# Altium PCB RHX-NYFK-PCB11V1.01.PcbDoc
Units mm, origin at the board's own origin, x right, y up, seen from the top; angles counter-clockwise.
Board outline 73.66 x 54.99 mm, 2 copper layers (Top Layer, Bottom Layer), stack 1.571 mm thick; 133 components, 85 nets, 398 pads, 288 vias.
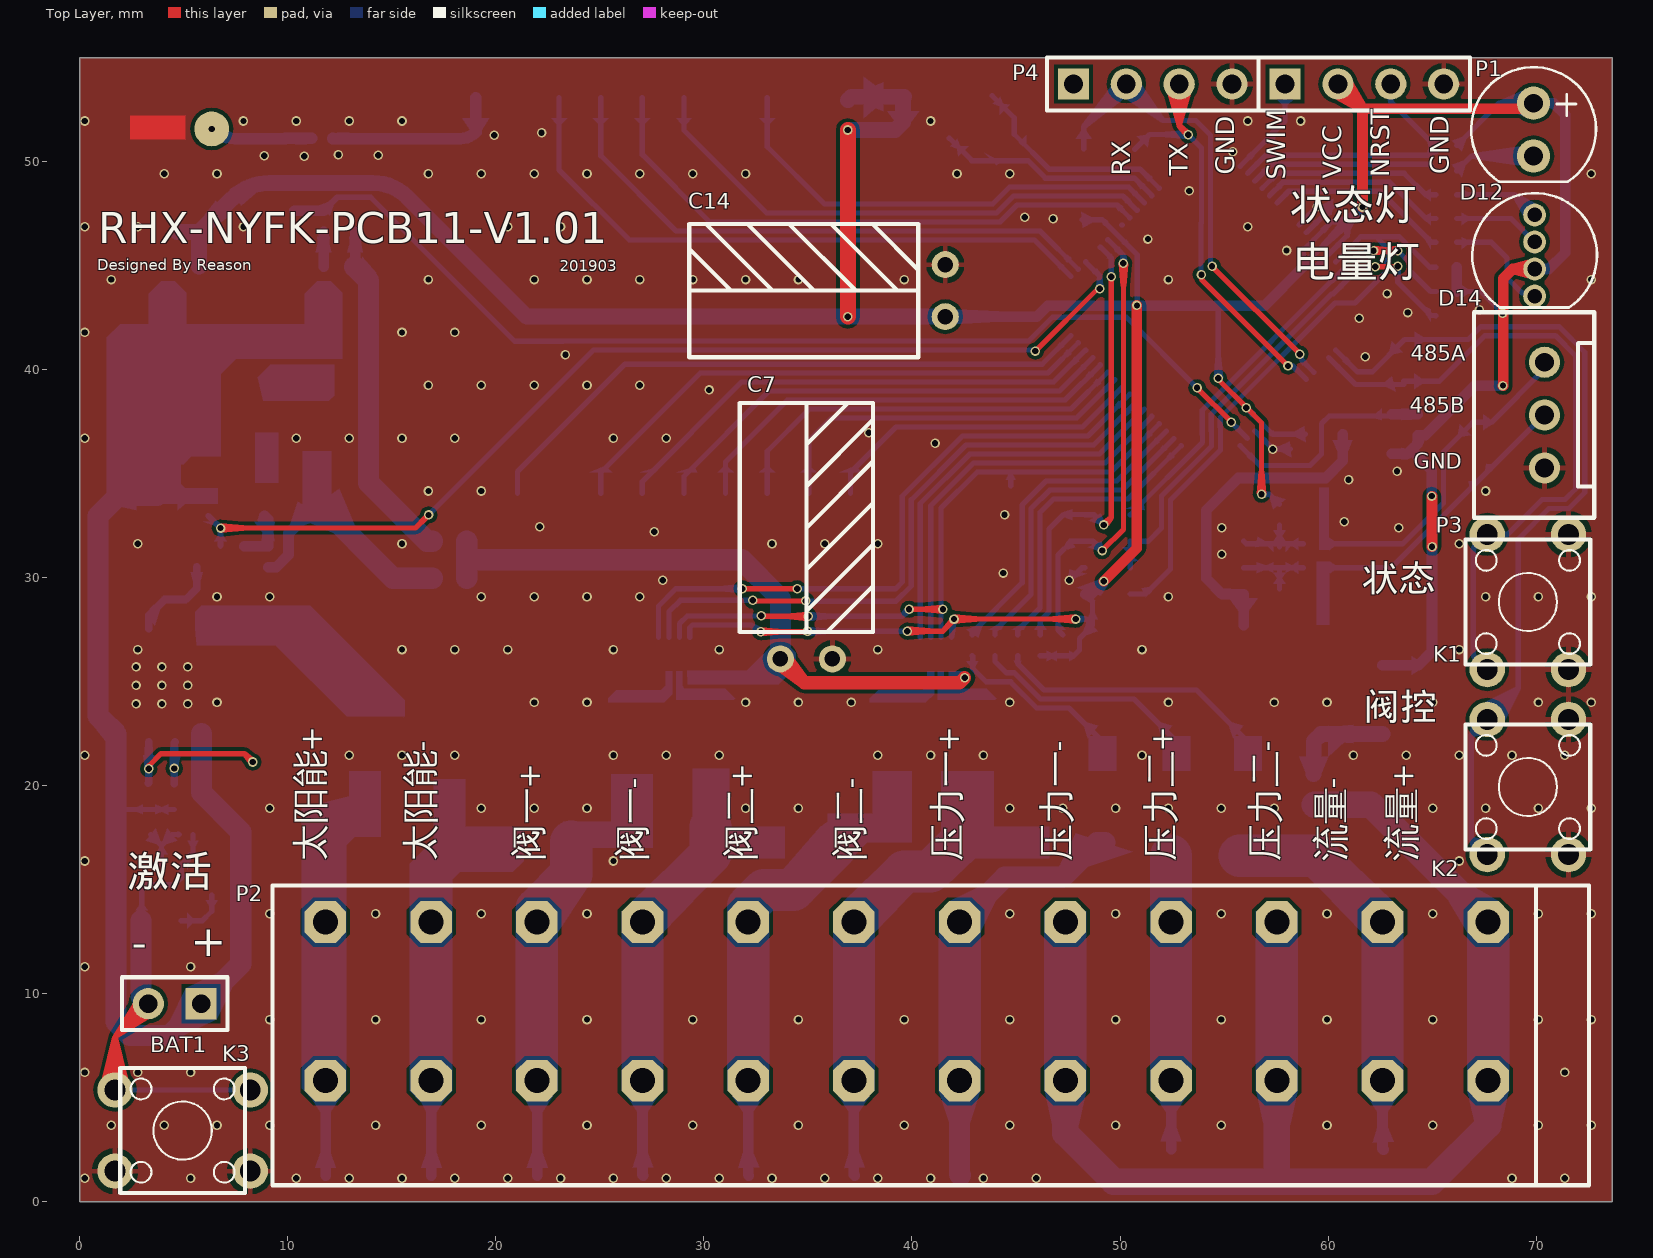
[diagram p0: Top Layer view]
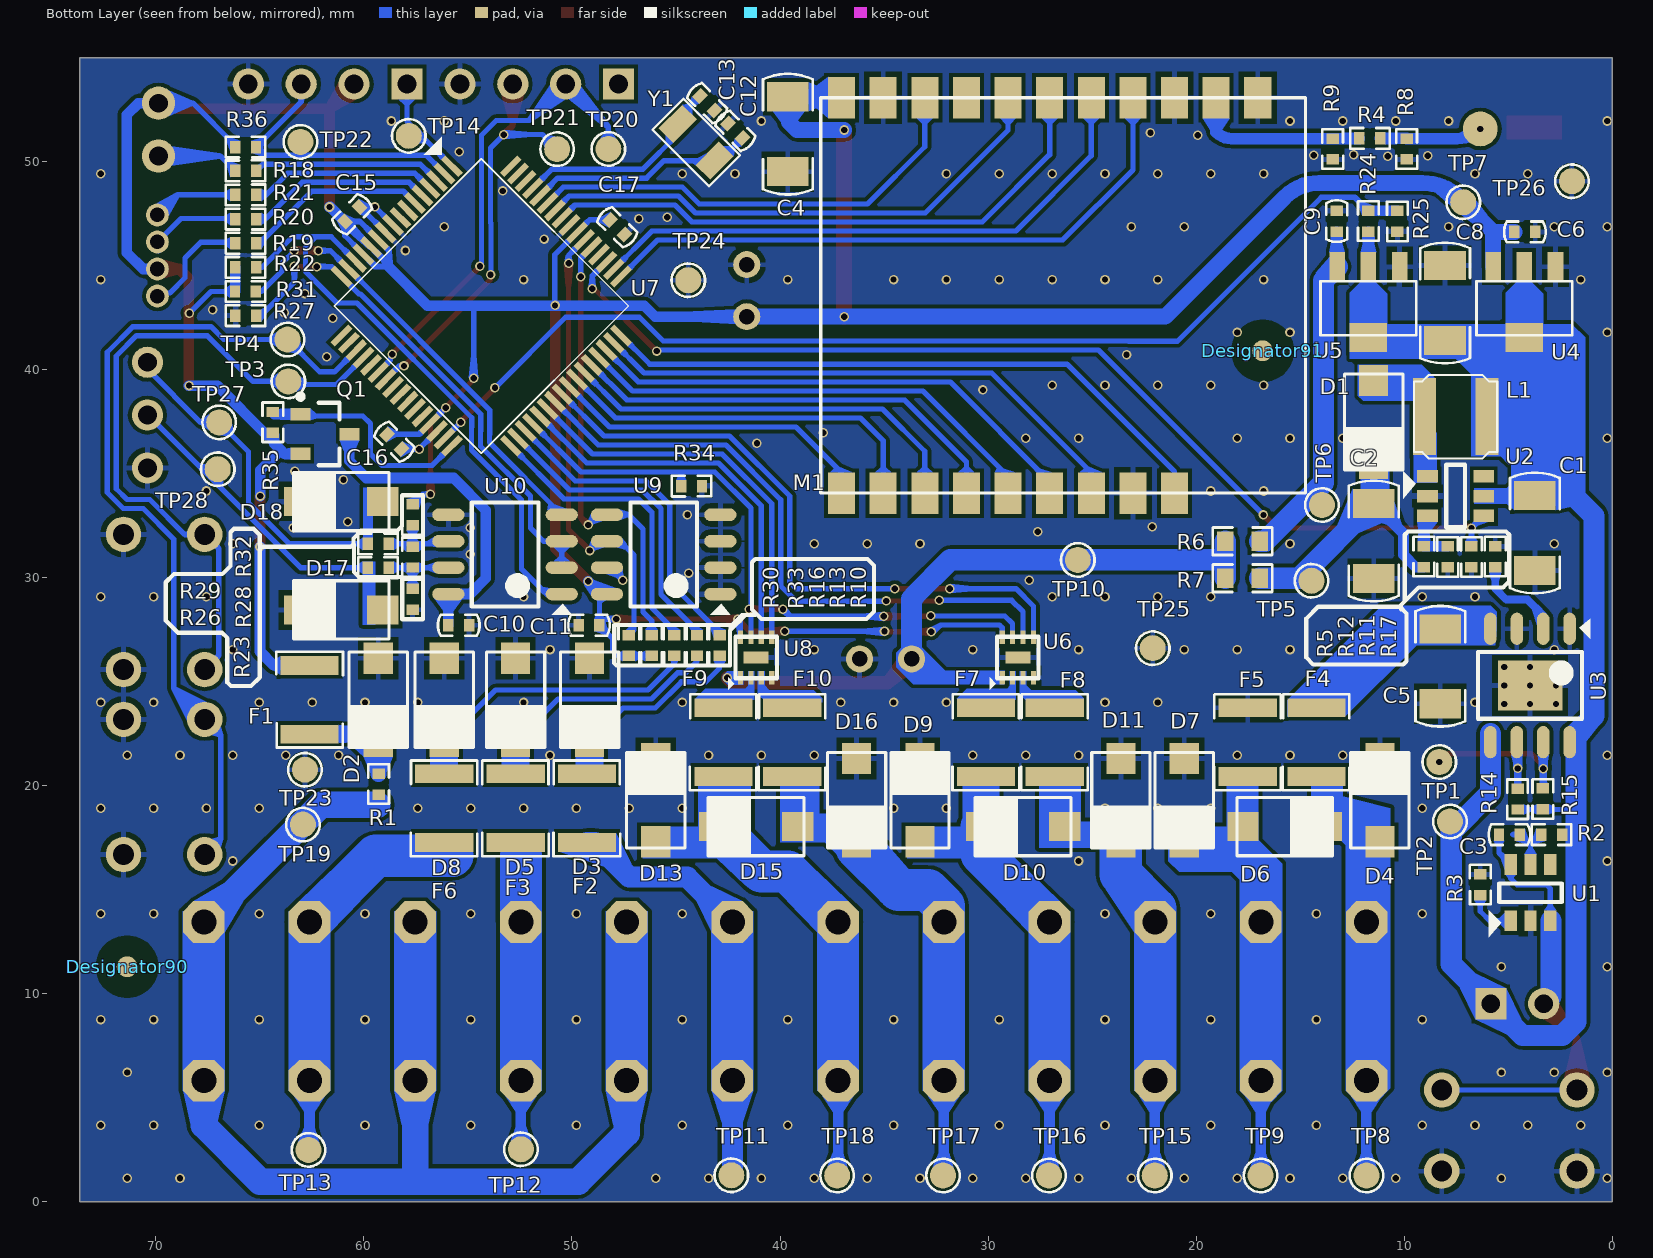
[diagram p1: Bottom Layer view, seen from below]
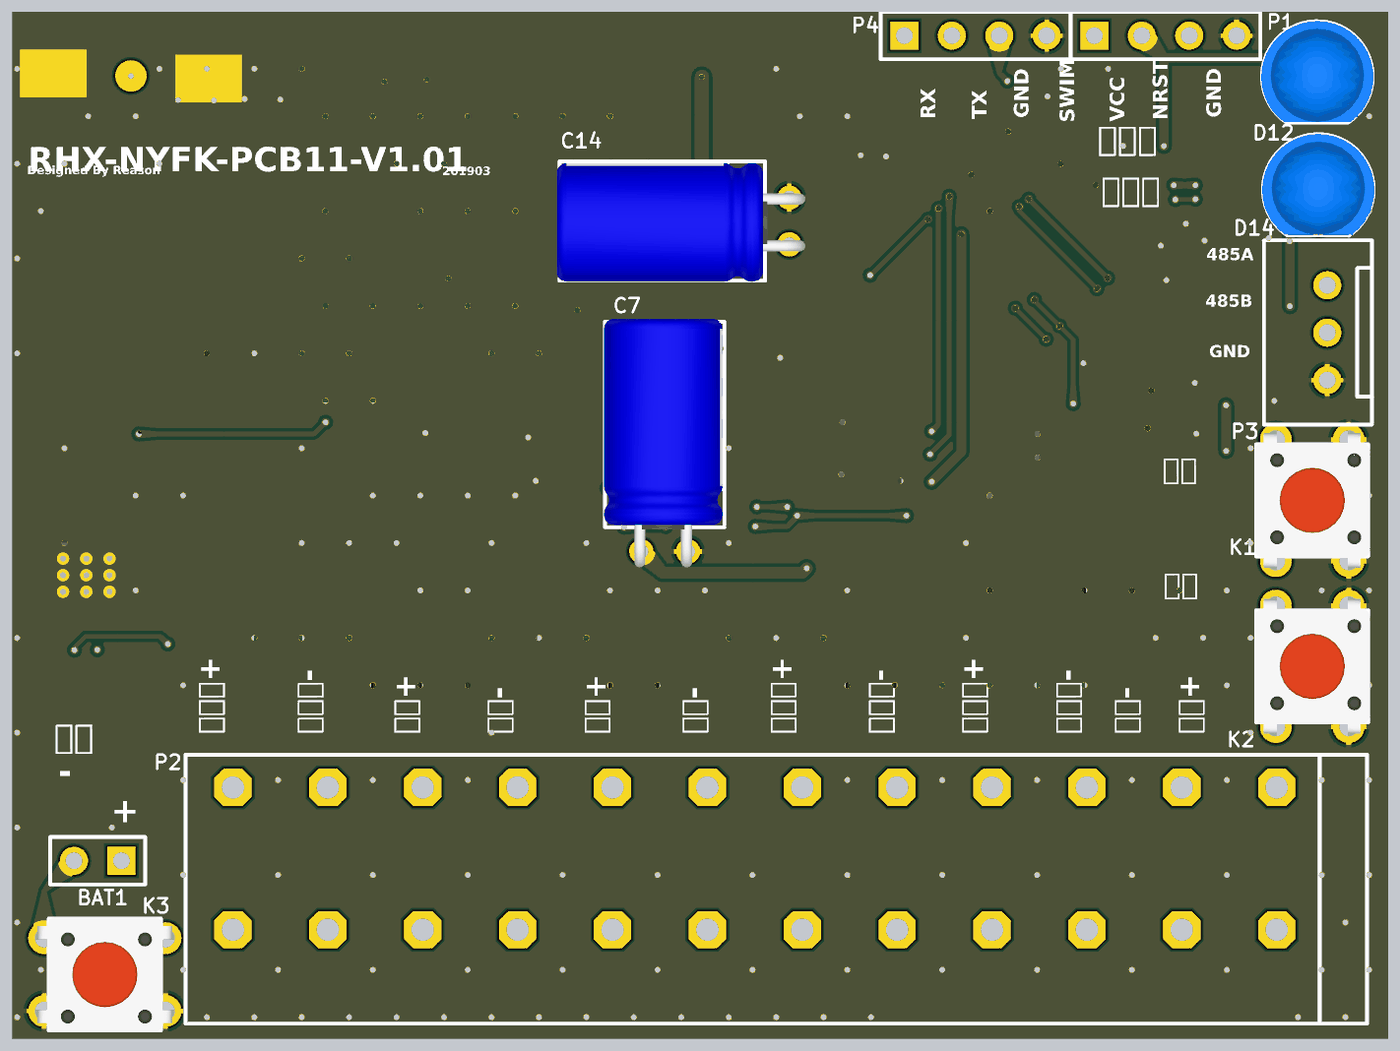
[diagram p2: 3D render of the assembled board from above, using the file's embedded part models]
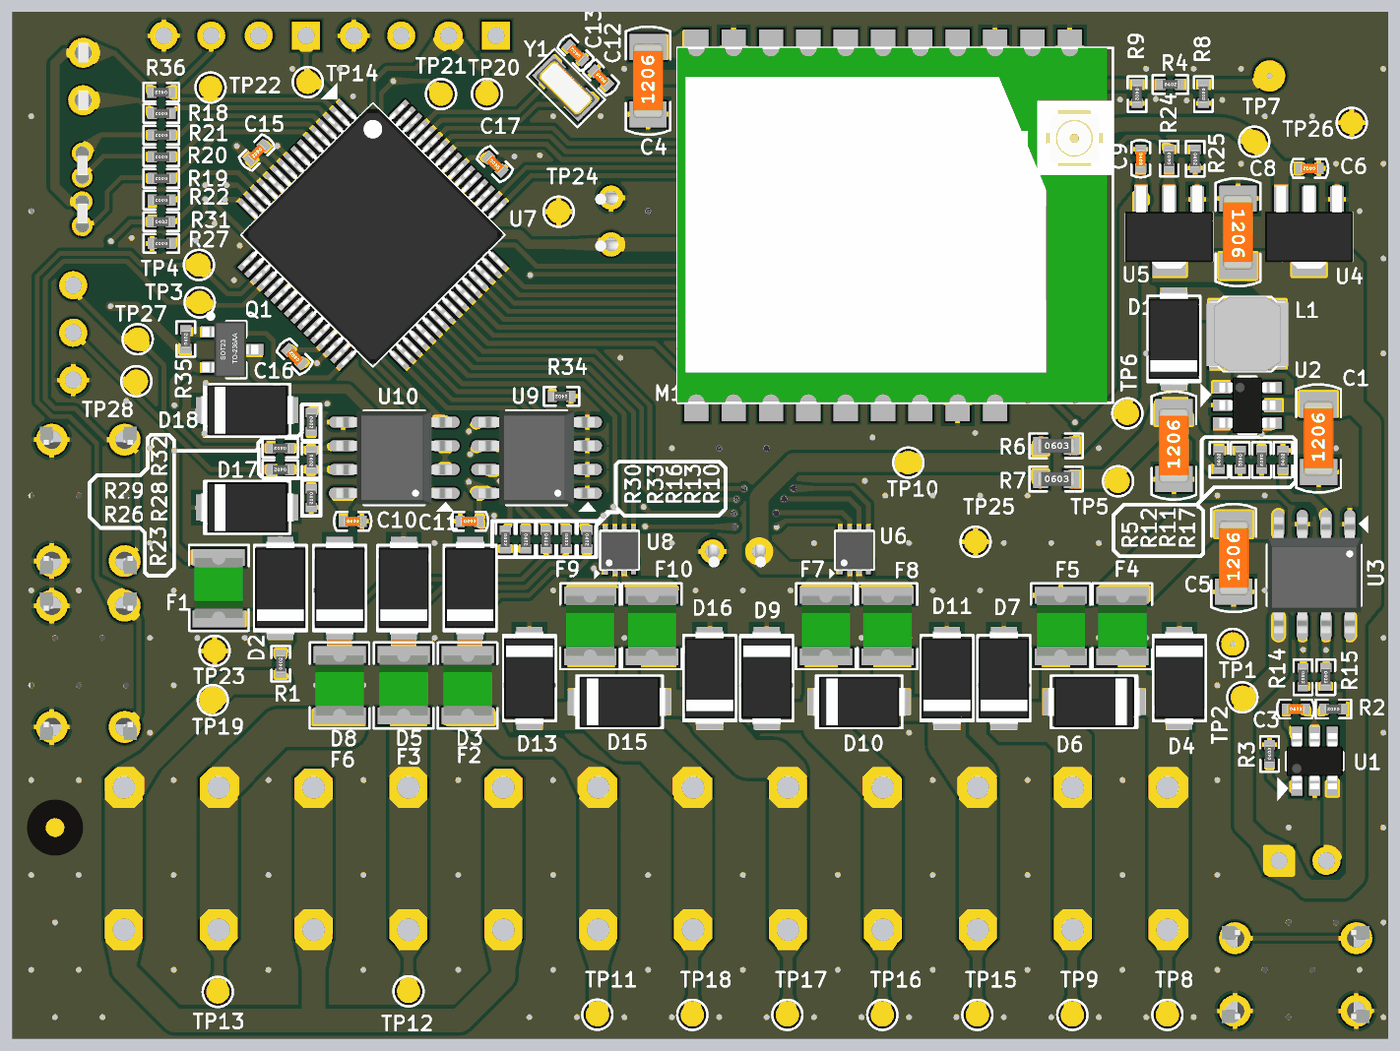
[diagram p3: 3D render of the assembled board from below, using the file's embedded part models]

## Layer stack, top to bottom
Top Solder: solder mask 0.0102, Solder Resist, Dk 3.5
Top Layer: signal copper 0.0356
Dielectric1: dielectric 1.5, FR-4, Dk 4.8
Bottom Layer: signal copper 0.0356
Bottom Solder: solder mask 0.0102, Solder Resist, Dk 3.5

## Board outline
0,0 73.66,0 73.66,54.991 0,54.991

## Design rules (kind name [scope] priority, off if disabled: settings)
Clearance [All] p1: gap=0.178
ComponentClearance [All] p1 off: gap=0.254 collisioncheckmode=3 verticalgap=0.254 showdistances=FALSE
Height [All] p1 off: minheight=0 maxheight=25.4 prefheight=12.7
HoleSize [All] p1: absolutevalues=TRUE maxlimit=5.639 minlimit=0.025 maxpercent=80.000 minpercent=20.000
MinimumSolderMaskSliver [All] p1: minsoldermaskwidth=0
PolygonConnect via [IsVia] p1: connectstyle=Direct reliefconductorwidth=0.254 reliefentries=4 polygonreliefangle="90 Angle" airgapwidth=0.254
PolygonConnect [All] p2: connectstyle=Relief reliefconductorwidth=0.254 reliefentries=4 polygonreliefangle="90 Angle" airgapwidth=0.254
RoutingVias [All] p1: holewidth=0.305 width=0.457 viastyle="Through Hole" minholewidth=0.305 minwidth=0.457 maxholewidth=0.711 maxwidth=1.27
SilkToSilkClearance [All] p1: silktosilkclearance=0
SilkToSolderMaskClearance [IsPad] p1: minsilkscreentomaskgap=0 clearancetoexposedcopper=TRUE
SolderMaskExpansion [All] p1: expansion=0.102
Width [All] p1: maxlimit=282.219 minlimit=0.254 preferedwidth=0.254
24 further rules are at their usual default settings.

## Classes and differential pairs
component class RHX-NYFK-SCH22V1.00: C7 C10 D9 D10 D11 D13 D15 D16 D17 D18 F7 F8 F9 F10 P3 Q1 R22 R23 R26 R27 R28 R29 R31 R32 R35 TP27 TP28 U6 U8 U10
component class RHX-NYFK-SCH21V1.00: BAT1 C1 C2 C3 C4 C5 C6 C8 C9 C11 C12 C13 C14 C15 C16 C17 D1 D2 D3 D4 D5 D6 D7 D8 D12 D14 F1 F2 F3 F4 F5 F6 K1 K2 K3 L1 M1 P1 P2 P4 Q2 Q3 Q4 R1 R2 R3 R4 R5 R6 R7 R8 R9 R10 R11 R12 R13 R14 R15 R16 R17 R18 R19 R20 R21 R24 R25 R30 R33 R34 R36 TP1 TP2 TP3 TP4 TP5 TP6 TP7 TP8 TP9 TP10 TP11 TP12 TP13 TP14 TP15 TP16 TP17 TP18 TP19 TP20 TP21 TP22 TP23 TP24 TP25 TP26 U1 U2 U3 U4 U5 U7 U9 Y1

## Components (designator, comment, footprint, x,y, rotation, side; value= is the part's Value field where it differs from the comment)
BAT1 "Value" HDR1X2 5.842,9.525 r180 top
C1 "22uf/16V" c1206 3.726,32.144 r90 bottom
C2 "22uf/16V" c1206 11.473,31.763 r90 bottom
C3 "100NF" C0402 4.953,17.653 r180 bottom
C4 "47uf" C1206 39.624,51.308 r90 bottom
C5 "22uf/16V" c1206 8.27,25.74 r90 bottom
C6 "100nf" C0402 4.209,46.611 r0 bottom
C7 "330uf/10v" CAP_2P_2R5_D6R3H11_W 34.925,32.893 r0 top
C8 "22uf/16V" c1206 8.044,43.193 r270 bottom
C9 "100nf" c0402 13.251,47.13 r270 bottom
C10 "100nf" c0402 55.44,27.71 r180 bottom
C11 "100nf" C0402 49.18,27.71 r180 bottom
C12 "12pF±10%/50V" C0402 42.15,51.47 r225 bottom
C13 "12pF±10%/50V" C0402 43.5,52.8 r45 bottom
C14 "330uf/10v" CAP_2P_2R5_D6R3H11_W 34.8,43.79 r90 top
C15 "100nf" C0402 60.56,47.46 r315 bottom
C16 "100nf" C0402 58.54,36.53 r45 bottom
C17 "100nf" C0402 47.82,46.84 r45 bottom
D1 "SS14" SMA_2P_2R8X4R6 11.473,37.478 r270 bottom
D2 "Value" SMA_2P_2R8X4R6 59.309,24.13 r270 bottom
D3 "Value" SMA_2P_2R8X4R6 49.149,24.13 r270 bottom
D4 "Value" SMA_2P_2R8X4R6 11.176,19.304 r90 bottom
D5 "Value" SMA_2P_2R8X4R6 52.705,24.13 r270 bottom
D6 "Value" SMA_2P_2R8X4R6 15.748,18.034 r180 bottom
D7 "Value" SMA_2P_2R8X4R6 20.574,19.304 r270 bottom
D8 "Value" SMA_2P_2R8X4R6 56.134,24.13 r270 bottom
D9 "Value" SMA_2P_2R8X4R6 33.274,19.304 r90 bottom
D10 "Value" SMA_2P_2R8X4R6 28.321,18.034 r0 bottom
D11 "Value" SMA_2P_2R8X4R6 23.622,19.304 r270 bottom
D12 "Value" LED_2P_2R54_D5X8R7 69.869,51.53 r270 top
D13 "Value" SMA_2P_2R8X4R6 45.974,19.304 r90 bottom
D14 "RGB共阳" DIP_LED_4P_RGB_1R3_D5 69.92,45.48 r270 top
D15 "Value" SMA_2P_2R8X4R6 41.148,18.034 r0 bottom
D16 "Value" SMA_2P_2R8X4R6 36.322,19.304 r270 bottom
D17 "SMBJ6.5CA" SMA_2P_2R8X4R6 61.087,28.448 r0 bottom
D18 "SMBJ6.5CA" SMA_2P_2R8X4R6 61.087,33.655 r0 bottom
Designator90 "Comment" MARK_D1R0 71.374,11.303 r90 bottom
Designator91 "Comment" MARK_D1R0 16.81,40.9 r90 bottom
F1 "Value" FUSE1210 62.611,24.13 r270 bottom
F2 "Value" FUSE1210 49.276,18.923 r90 bottom
F3 "Value" FUSE1210 52.705,18.923 r90 bottom
F4 "Value" FUSE1210 14.224,22.098 r90 bottom
F5 "Value" FUSE1210 17.526,22.098 r90 bottom
F6 "Value" FUSE1210 56.134,18.923 r90 bottom
F7 "Value" FUSE1210 30.099,22.098 r90 bottom
F8 "Value" FUSE1210 26.797,22.098 r90 bottom
F9 "Value" FUSE1210 42.72,22.098 r90 bottom
F10 "Value" FUSE1210 39.41,22.098 r90 bottom
K1 "Value" DIP_SW_4P_6R0X6R0_P 69.596,28.829 r270 top
K2 "Value" DIP_SW_4P_6R0X6R0_P 69.596,19.939 r270 top
K3 "Value" DIP_SW_4P_6R0X6R0_P 4.953,3.429 r180 top
L1 "10UH" SMD_INC_2P_4R0X4R0 7.536,37.732 r0 bottom
M1 "Value" LORA_PIN_1 26.543,43.561 r270 bottom locked
P1 "SWIM" HDR1X4#1 57.93,53.72 r0 top
P2 "Header 12" KF301_12P_5R08 44.831,8.001 r0 top
P3 "RS485" HDR1X4#2 70.4,42.89 r270 top
P4 "UART" HDR1X4#1 47.76,53.72 r0 top
Q1 "Value" SOT23_3P_0R95_1R3X2R9 61.87,36.9 r180 bottom
R1 "22R±5%" R0402 59.29,20.07 r90 bottom
R2 "100R±5%" R0402 2.921,17.653 r0 bottom
R3 "1K±5%" R0402 6.35,15.24 r90 bottom
R4 "1K±5%" R0402 11.665,51.107 r180 bottom
R5 "330K±1%" R0402 9.06,31.001 r90 bottom
R6 "0R±5%" R0603 17.78,31.75 r180 bottom
R7 "0R±5%" R0603 17.78,29.972 r180 bottom
R8 "1K±5%" R0402 9.887,50.599 r270 bottom
R9 "1K±5%" R0402 13.443,50.599 r270 bottom
R10 "22R±5%" R0402 42.9,26.74 r270 bottom
R11 "510K±5%" R0402 6.774,31.001 r270 bottom
R12 "24K±1%" R0402 7.917,31.001 r270 bottom
R13 "22R±5%" R0402 43.99,26.74 r270 bottom
R14 "2M±1%" R0402 4.56,19.36 r270 bottom
R15 "2M±1%" R0402 3.34,19.37 r270 bottom
R16 "22R±5%" R0402 45.08,26.74 r270 bottom
R17 "3.3K±5%" R0402 5.631,31.001 r90 bottom
R18 "1K±5%" R0402 65.672,49.548 r0 bottom
R19 "1K±5%" R0402 65.672,46.069 r0 bottom
R20 "1K±5%" R0402 65.672,47.229 r0 bottom
R21 "1K±5%" R0402 65.672,48.389 r0 bottom
R22 "10K±5%" R0402 65.672,44.909 r0 bottom
R23 "4.7K±5%" R0402 57.658,28.956 r270 bottom
R24 "2M±1%" R0402 11.727,47.13 r90 bottom
R25 "2M±1%" R0402 10.33,47.13 r270 bottom
R26 "22R±5%" R0402 59.309,30.48 r0 bottom
R27 "10K±5%" R0402 65.672,42.59 r0 bottom
R28 "NC" R0402 57.658,30.988 r270 bottom
R29 "22R±5%" R0402 59.309,31.623 r0 bottom
R30 "10K±5%" R0402 47.26,26.74 r270 bottom
R31 "10K±5%" R0402 65.69,43.75 r180 bottom
R32 "4.7K±5%" R0402 57.658,33.02 r270 bottom
R33 "10K±5%" R0402 46.17,26.74 r270 bottom
R34 "510K±5%" R0402 44.25,34.4 r0 bottom
R35 "510K±5%" R0402 64.37,37.46 r90 bottom
R36 "10K±5%" R0402 65.68,50.69 r0 bottom
TP1 "Value" TP_D1R25 8.32,21.14 r0 bottom
TP2 "Value" TP_D1R25 7.81,18.28 r270 bottom
TP3 "Value" TP_D1R25 63.63,39.43 r270 bottom
TP4 "Value" TP_D1R25 63.67,41.44 r270 bottom
TP5 "Value" TP_D1R25 14.46,29.85 r270 bottom
TP6 "Value" TP_D1R25 13.96,33.49 r270 bottom
TP7 "Value" TP_D1R25 7.17,48.04 r270 bottom
TP8 "Value" TP_D1R25 11.82,1.27 r270 bottom
TP9 "Value" TP_D1R25 16.907,1.27 r270 bottom
TP10 "Value" TP_D1R25 25.69,30.85 r270 bottom
TP11 "Value" TP_D1R25 42.34,1.28 r270 bottom
TP12 "Value" TP_D1R25 52.45,2.53 r270 bottom
TP13 "Value" TP_D1R25 62.66,2.5 r270 bottom
TP14 "Value" TP_D1R25 57.84,51.23 r270 bottom
TP15 "Value" TP_D1R25 21.993,1.27 r270 bottom
TP16 "Value" TP_D1R25 27.08,1.27 r270 bottom
TP17 "Value" TP_D1R25 32.167,1.27 r270 bottom
TP18 "Value" TP_D1R25 37.253,1.27 r270 bottom
TP19 "Value" TP_D1R25 62.93,18.13 r270 bottom
TP20 "Value" TP_D1R25 48.25,50.6 r270 bottom
TP21 "Value" TP_D1R25 50.71,50.59 r270 bottom
TP22 "Value" TP_D1R25 63.05,50.94 r270 bottom
TP23 "Value" TP_D1R25 62.83,20.77 r270 bottom
TP24 "Value" TP_D1R25 44.41,44.29 r270 bottom
TP25 "Value" TP_D1R25 22.09,26.61 r270 bottom
TP26 "Value" TP_D1R25 1.95,49.05 r270 bottom
TP27 "Value" TP_D1R25 66.95,37.46 r270 bottom
TP28 "Value" TP_D1R25 67.02,35.21 r270 bottom
U1 "DW06D" SOT23_6P_0R95_1R6X2R9 3.937,14.859 r90 bottom
U2 "SY7152ABC" SOT23_6P_0R95_1R6X2R9 7.536,33.922 r180 bottom
U3 "CN3063" SOP_8P_1R27_3R9X4R9_P 3.96,24.82 r270 bottom
U4 "HT7330" SOT89_3P_1R5_2R5X4R5 4.234,42.939 r0 bottom
U5 "HT7330" SOT89_3P_1R5_2R5X4R5 11.727,42.939 r0 bottom
U6 "DRV8837C" TDFN_8P_0R5_2R0X2R0_P 28.575,26.162 r90 bottom
U7 "STM8L052R8" LQFP_64P_0R5_10R0X10R0 54.356,43.053 r225 bottom locked
U8 "DRV8837C" TDFN_8P_0R5_2R0X2R0_P 41.148,26.162 r90 bottom
U9 "ht24lc32" SOP_8P_1R27_3R9X4R9 45.593,31.115 r0 bottom
U10 "SP3485EN" SOP_8P_1R27_3R9X4R9 53.213,31.115 r0 bottom
Y1 "32.768K±20ppm/12pF" SMD_Crystal_2P_1R5X3R2 44.03,50.92 r225 bottom

## Footprints (in the part's own frame and the unit in brackets; to place one, negate y for a bottom-side part, rotate by r counter-clockwise, add the part's x,y. Pads: shape width x height; smd on the part's side, far side on the other; paste and mask are expansions set on the pad)
C0402 [mm]
  rect 0.5x0.6 smd: 1(-0.5,0) 2(0.5,0)
  Top Layer pour cut-out: -0.15,0.413 -0.15,-0.416 0.16,-0.417 0.16,0.415
  silkscreen extent -1,-0.5 1,0.5, body extent -0.86,-0.43 0.88,0.41, height 0.51
c0402 [mm]
  rect 0.5x0.6 smd: 1(-0.5,0) 2(0.5,0)
  Top Layer pour cut-out: -0.15,0.413 -0.15,-0.416 0.16,-0.417 0.16,0.415
  silkscreen extent -1,-0.5 1,0.5, body extent -0.86,-0.43 0.88,0.41, height 0.51
c1206 [mm]
  rect 1.4x2 smd: 1(-1.8,0) 2(1.8,0)
  silkscreen extent -2.9,-1.2 2.9,1.2, body extent -2.6,-1.1 2.6,1.1, height 1.53
C1206 [mm]
  rect 1.4x2 smd: 1(-1.8,0) 2(1.8,0)
  silkscreen extent -2.9,-1.2 2.9,1.2, body extent -2.6,-1.1 2.6,1.1, height 1.53
CAP_2P_2R5_D6R3H11_W [mm]
  round 1.3 hole 0.75: 1(-1.25,-6.8) 2(1.25,-6.8)
  silkscreen extent -3.2,-5.5 3.2,5.5, body extent -3.25,-7.66 3.1,5.66, height 6.38
DIP_LED_4P_RGB_1R3_D5 [mm]
  round 1.1 hole 0.7: 1(1.95,0) 2(0.65,0) 3(-0.65,0) 4(-1.95,0)
  silkscreen extent -3,-3 2.51,3, body extent -2.98,-3.01 2.82,3.01, height 8.81
DIP_SW_4P_6R0X6R0_P [mm]
  round 1.7 hole 1: 1(-3.25,1.95) 2(-3.25,-1.95) 3(3.25,1.95) 4(3.25,-1.95)
  silkscreen extent -3,-3 3,3, body extent -3.95,-3.1 3.95,3.1, height 7
FUSE1210 [mm] "Chip Resistor, 2-Leads, Body 3.22x2.55mm, IPC Me"
  rect 0.9x2.8 smd: 1(-1.65,0) 2(1.65,0)
  silkscreen extent -2.31,-1.59 2.29,1.61, body extent -2.35,-1.65 2.35,1.65, height 0.67
HDR1X2 [mm] "Connector; Header; 2"
  rect 1.5x1.5 hole 0.9: 1(0,0)
  round 1.5 hole 0.9: 2(2.54,0)
  silkscreen extent -1.27,-1.27 3.81,1.27
HDR1X4#1 [mm] "Connector; Header; 4 Posi"
  rect 1.5x1.5 hole 0.9: 1(0,0)
  round 1.5 hole 0.9: 2(2.54,0) 3(5.08,0) 4(7.62,0)
  silkscreen extent -1.27,-1.27 8.89,1.27
HDR1X4#2 [mm] "Connector; Header; 4 Posi"
  round 1.5 hole 0.9: 2(2.54,0) 3(5.08,0) 4(7.62,0)
KF301_12P_5R08 [mm]
  oct 2x2 hole 1.2: 1(-33.02,-2.17) 1(-33.02,5.45) 2(-27.94,-2.17) 2(-27.94,5.45) 3(-22.86,-2.17) 3(-22.86,5.45) 4(-17.78,-2.17) 4(-17.78,5.45) 5(-12.7,-2.17) 5(-12.7,5.45) 6(-7.62,-2.17) 6(-7.62,5.45) 7(-2.54,-2.17) 7(-2.54,5.45) 8(2.54,-2.17) 8(2.54,5.45) 9(7.62,-2.17) 9(7.62,5.45) 10(12.7,-2.17) 10(12.7,5.45) 11(17.78,-2.17) 11(17.78,5.45) 12(22.86,-2.17) 12(22.86,5.45)
  silkscreen extent -35.56,-7.2 27.7,7.2, body extent -35.5,-7.4 27.7,7.1, height 13.2
LED_2P_2R54_D5X8R7 [mm]
  round 1.6 hole 0.9: 1(-1.27,0) 2(1.27,0)
  silkscreen extent -3,-3 2.51,3, body extent -2.98,-3.01 2.82,3.01, height 8.81
LORA_PIN_1 [mm]
  rect 2x1.3 smd: 1(9.5,-10.5) 2(9.5,-8.5) 3(9.5,-6.5) 4(9.5,-4.5) 5(9.5,-2.5) 6(9.5,-0.5) 7(9.5,1.5) 8(9.5,3.5) 9(9.5,5.5) 10(-9.5,9.5) 11(-9.5,7.5) 12(-9.5,5.5) 13(-9.5,3.5) 14(-9.5,1.5) 15(-9.5,-0.5) 16(-9.5,-2.5) 17(-9.5,-4.5) 18(-9.5,-6.5) 19(-9.5,-8.5) 20(-9.5,-10.5)
  silkscreen extent -9.5,-11.5 9.5,11.8, body extent -9.5,-11.5 9.5,11.75, height 1.7
LQFP_64P_0R5_10R0X10R0 [mm]
  rect 1.2x0.3 smd: 1(-5.75,3.75) 2(-5.75,3.25) 3(-5.75,2.75) 4(-5.75,2.25) 5(-5.75,1.75) 6(-5.75,1.25) 7(-5.75,0.75) 8(-5.75,0.25) 9(-5.75,-0.25) 10(-5.75,-0.75) 11(-5.75,-1.25) 12(-5.75,-1.75) 13(-5.75,-2.25) 14(-5.75,-2.75) 15(-5.75,-3.25) 16(-5.75,-3.75) 33(5.75,-3.75) 34(5.75,-3.25) 35(5.75,-2.75) 36(5.75,-2.25) 37(5.75,-1.75) 38(5.75,-1.25) 39(5.75,-0.75) 40(5.75,-0.25) 41(5.75,0.25) 42(5.75,0.75) 43(5.75,1.25) 44(5.75,1.75) 45(5.75,2.25) 46(5.75,2.75) 47(5.75,3.25) 48(5.75,3.75)
  rect 0.3x1.2 smd: 17(-3.75,-5.75) 18(-3.25,-5.75) 19(-2.75,-5.75) 20(-2.25,-5.75) 21(-1.75,-5.75) 22(-1.25,-5.75) 23(-0.75,-5.75) 24(-0.25,-5.75) 25(0.25,-5.75) 26(0.75,-5.75) 27(1.25,-5.75) 28(1.75,-5.75) 29(2.25,-5.75) 30(2.75,-5.75) 31(3.25,-5.75) 32(3.75,-5.75) 49(3.75,5.75) 50(3.25,5.75) 51(2.75,5.75) 52(2.25,5.75) 53(1.75,5.75) 54(1.25,5.75) 55(0.75,5.75) 56(0.25,5.75) 57(-0.25,5.75) 58(-0.75,5.75) 59(-1.25,5.75) 60(-1.75,5.75) 61(-2.25,5.75) 62(-2.75,5.75) 63(-3.25,5.75) 64(-3.75,5.75)
  silkscreen extent -7.1,-5 5,5, body extent -6.42,-6.41 6.41,6.44, height 1.62
MARK_D1R0 [mm]
  round 1 smd paste-0.5 mask+1: 1(0,0)
  Top Layer pour cut-out: 0,-1.5 -0.574,-1.386 -1.061,-1.061 -1.386,-0.574 -1.5,0 -1.5,0 -1.386,0.574 -1.061,1.061 -0.574,1.386 0,1.5 0,1.5 0.574,1.386 1.061,1.061 1.386,0.574 1.5,0 1.5,0 1.386,-0.574 1.061,-1.061 0.574,-1.386 0,-1.5
  Mechanical 15 keep-out circle w0.127: c0,0 r1.5
  body extent -1.5,-1.5 1.5,1.5, height 0.01
R0402 [mm]
  rect 0.5x0.6 smd: 1(-0.5,0) 2(0.5,0)
  Top Layer pour cut-out: -0.15,0.413 -0.15,-0.416 0.16,-0.417 0.16,0.415
  silkscreen extent -0.94,-0.5 0.96,0.5, body extent -0.86,-0.43 0.88,0.41, height 0.51
R0603 [mm]
  rect 0.8x0.95 smd: 1(-0.825,0) 2(0.825,0)
  silkscreen extent -1.42,-0.66 1.43,0.66, body extent -1.34,-0.6 1.34,0.61, height 0.79
SMA_2P_2R8X4R6 [mm]
  rect 1.5x1.4 smd paste+0 mask+0.025: 1(-2,0) 2(2,0)
  silkscreen extent -2.3,-1.4 2.3,1.4, body extent -2.5,-1.35 2.5,1.35, height 2.15
SMD_Crystal_2P_1R5X3R2 [mm]
  rect 1x1.6 smd: 1(-1.25,0) 2(1.25,0)
  silkscreen extent -1.91,-1.06 1.93,1.05, body extent -1.91,-1.06 1.93,1.05, height 0.8
SMD_INC_2P_4R0X4R0 [mm]
  rect 1.1x3.7 smd: 1(-1.5,0) 2(1.5,0)
  silkscreen extent -2,-2 2,2, body extent -2.2,-2 2.2,2, height 1.8
SOP_8P_1R27_3R9X4R9 [mm] "SOP, 8-Leads, Body 4.89x3.90mm, Pitch 1.27mm, IPC Me"
  oval 1.55x0.6 smd: 1(-2.725,1.905) 2(-2.725,0.635) 3(-2.725,-0.635) 4(-2.725,-1.905) 5(2.725,-1.905) 6(2.725,-0.635) 7(2.725,0.635) 8(2.725,1.905)
  silkscreen extent -3.2,-2.5 1.6,2.89, body extent -3.7,-2.75 3.7,2.75, height 1.75
SOP_8P_1R27_3R9X4R9_P [mm] "SOP, 8-Leads, Body 4.89x3.90mm, Pitch 1.27mm, IPC Me"
  oval 1.55x0.6 smd: 1(-2.725,1.905) 2(-2.725,0.635) 3(-2.725,-0.635) 4(-2.725,-1.905) 5(2.725,-1.905) 6(2.725,-0.635) 7(2.725,0.635) 8(2.725,1.905)
  rect 2.4x3.1 smd: 9(0,0)
  silkscreen extent -3.2,-2.5 1.6,2.89, body extent -3.7,-2.75 3.7,2.75, height 1.75
SOT23_3P_0R95_1R3X2R9 [mm] "SOT23, 3-Leads, Body 2.90x2.40mm, Pitch 0.95mm, IPC Me"
  rect 0.95x0.6 smd: 1(-1.175,0.95) 2(-1.175,-0.95) 3(1.175,0)
  silkscreen extent -1.3,-1.5 0.7,1.92, body extent -1.82,-1.61 1.81,1.62, height 1.3
SOT23_6P_0R95_1R6X2R9 [mm] "SOT23, 6-Leads, Body 2.90x2.75mm, Pitch 0.95mm, IPC Me"